# KiCad board panel.kicad_pcb (continued)
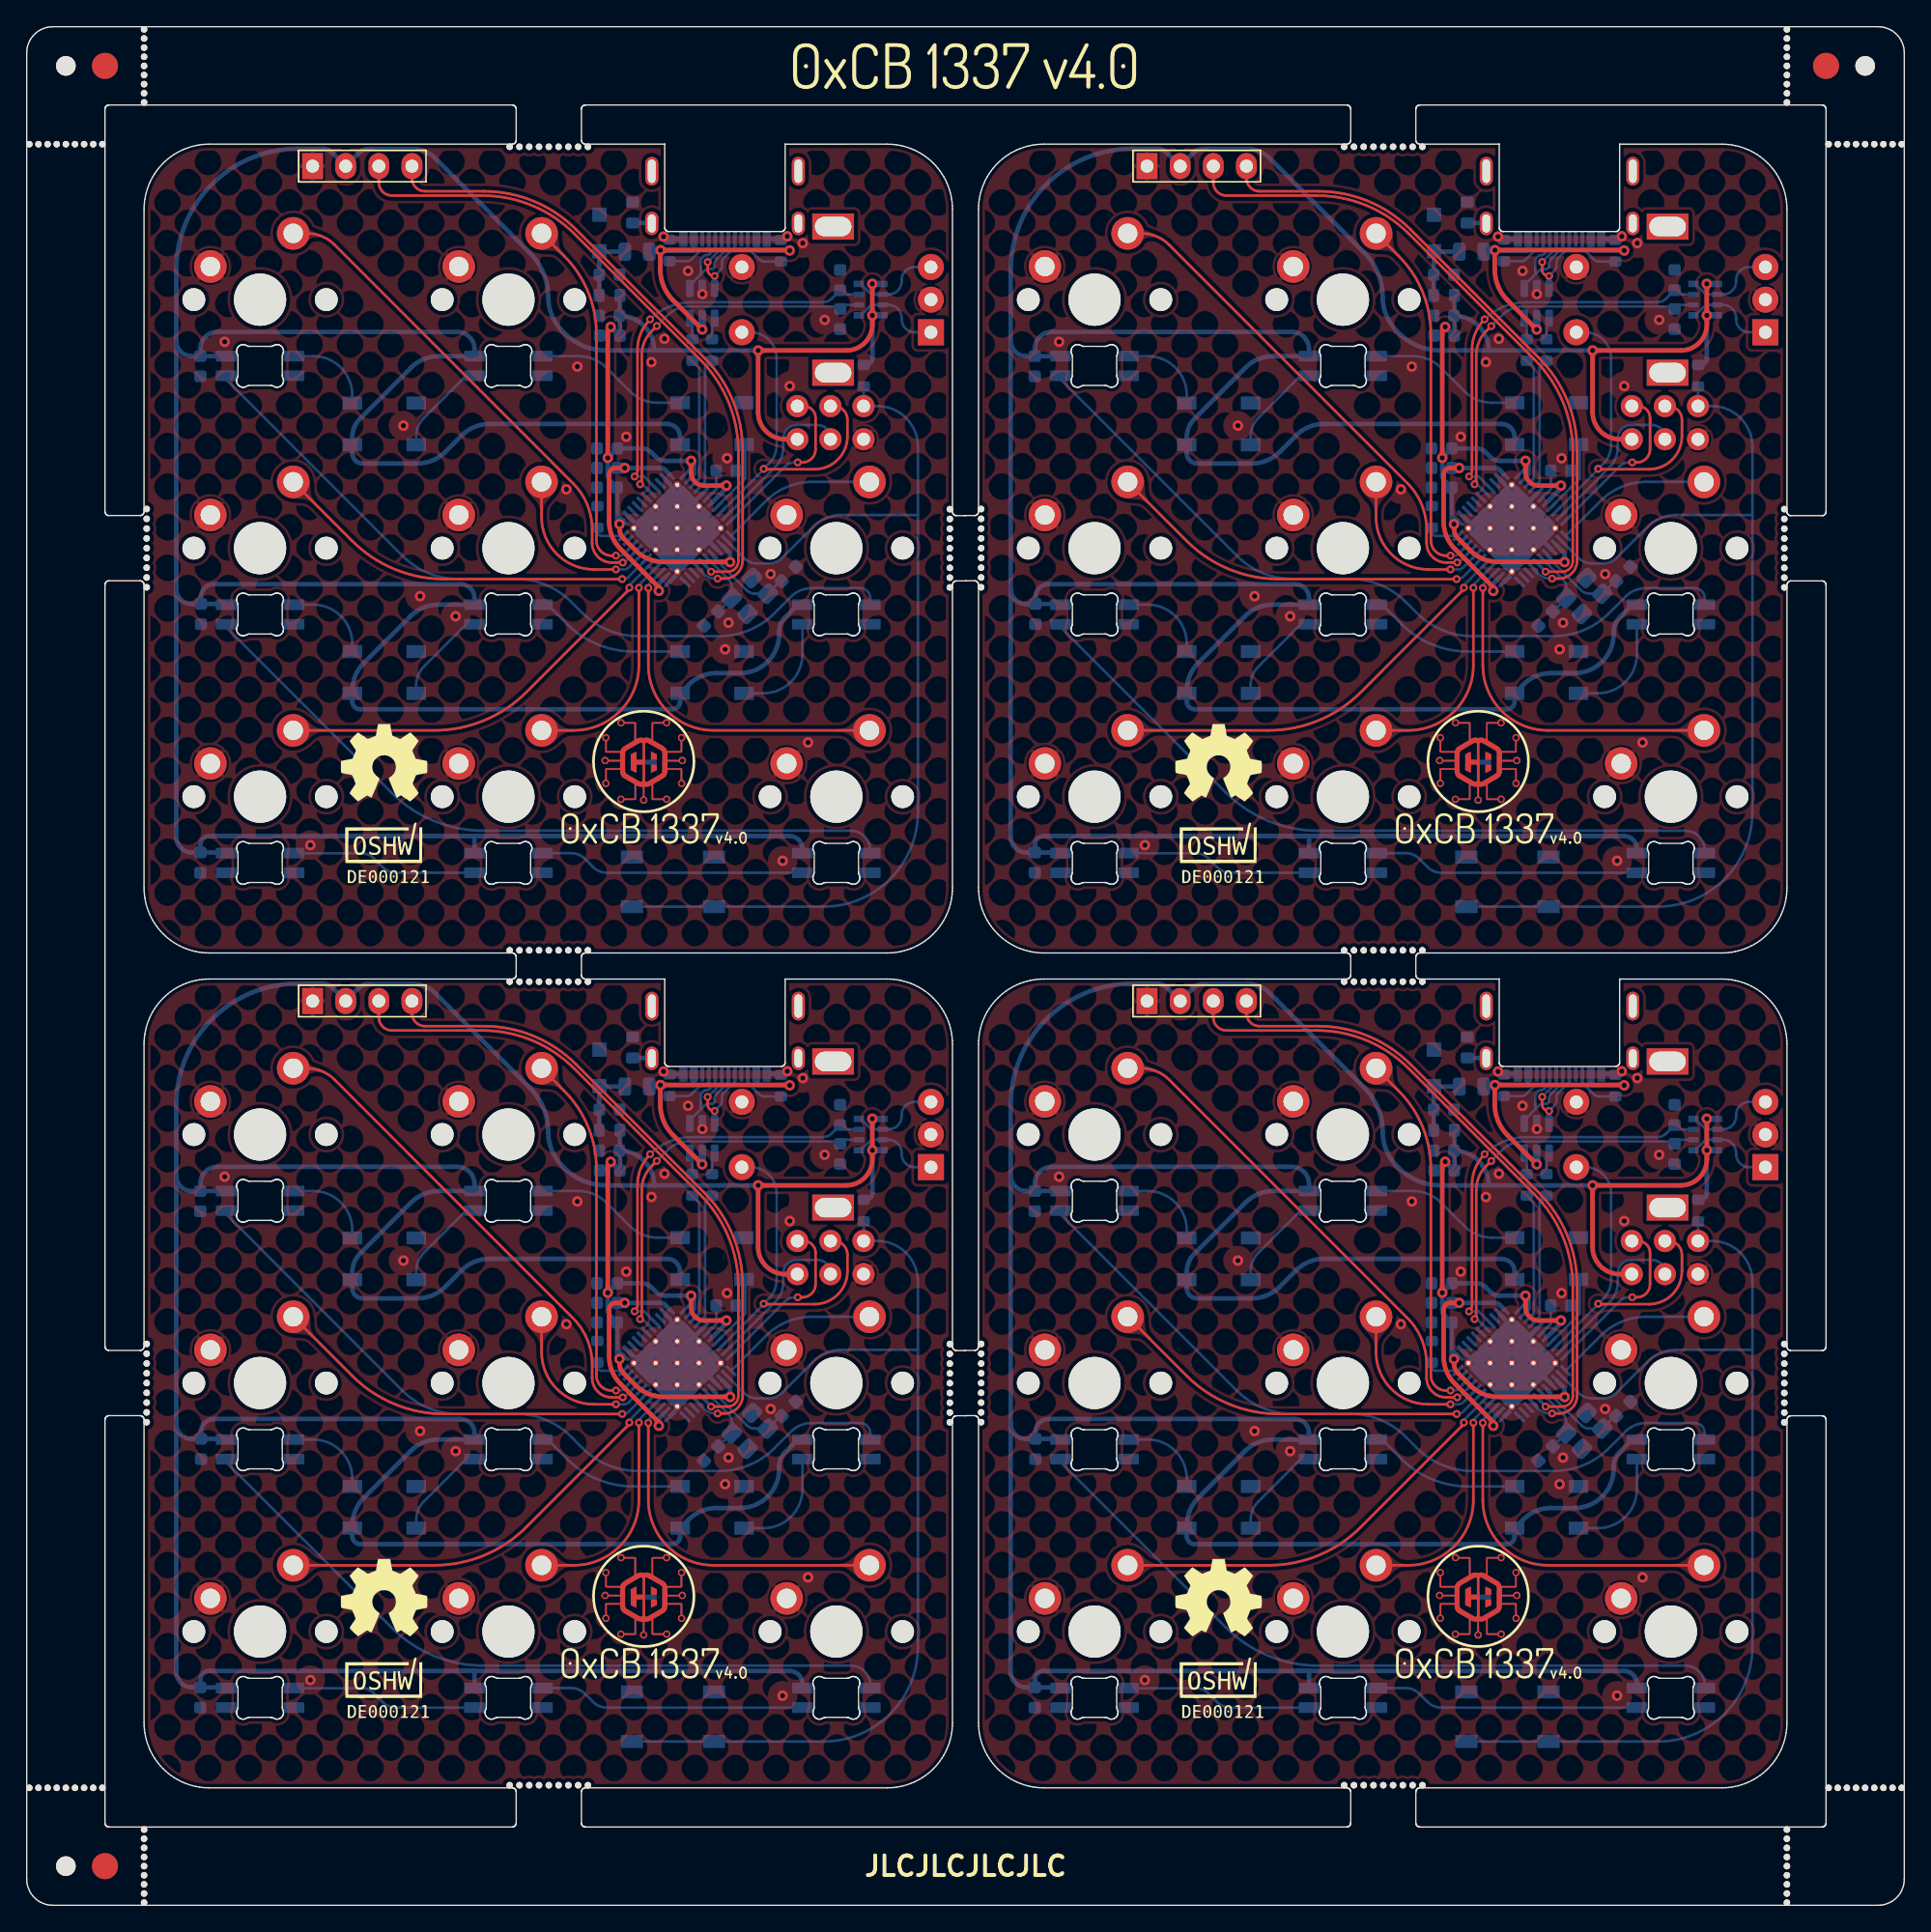
[diagram p0: board, top side]
## Routing (per net, layer and track width the routed paths; a pad name or vN(x,y) marks a point on that pad's centre or on a via; arc(x,y) is an arc through that point) (continued)
Board_3-MISO: length 13.2
  Top w0.2: v2(123.13,46.61) 123.5,46.61 arc(124.21,46.9) 124.5,47.61 124.5,50.02 arc(124.23,50.66) 123.6,50.92 J2#4.1
  Bottom w0.2: U3#2.11 122.18,46.31 arc(122.5,46.53) 122.88,46.61 v2(123.13,46.61)
Board_3-MOSI: length 12.5
  Bottom w0.2: U3#2.10 121.42,46.26 arc(121.86,46.93) 122.02,47.72 122.02,48.42 arc(122.33,49.16) 123.07,49.47 124.65,49.47 arc(125.35,49.18) 125.64,48.48 J2#4.4
Board_3-Net-(C1-Pad1): length 5.3
  Bottom w0.35: F1.2 107.96,62.76 D9.2 107.91,62.78 C1#2.1 107.91,59.43 FB2#4.1
Board_3-Net-(C9-Pad1): length 2.3
  Bottom w0.2: C9#4.1 116.89,44.56 U3#2.6
Board_3-Net-(C11-Pad2): length 7
  Bottom w0.2: U3#2.16 116.61,39.41 119.2,36.82 arc(119.51,36.61) 119.86,36.54 Y1#3.1 121.8,37.51 C11#2.2
Board_3-Net-(C13-Pad2): length 5.2
  Bottom w0.2: C13.2 117.06,35.17 Y1#3.3 118.08,37.05 arc(118.01,37.36) 117.84,37.62 U3#2.17
Board_3-Net-(D1-Pad2): length 59.2
  Bottom w0.2: D1#2.2 79.3,52.96 92.83,39.43 arc(94.77,38.13) 97.07,37.67 101.51,37.67 arc(103.81,37.22) 105.75,35.92 106.62,35.05 arc(108.57,33.75) 110.87,33.29 117.11,33.29 arc(119.41,33.75) 121.36,35.05 122.63,36.32 arc(123.34,36.8) 124.18,36.97 127.92,36.97 arc(128.47,36.74) 128.7,36.2 D5#2.4
Board_3-Net-(D1-Pad4): length 6.8
  Bottom w0.2: D1#2.4 85.97,54.75 arc(88.09,53.87) 88.97,51.75 D11#2.2
Board_3-Net-(D3-Pad2): length 56.7
  Bottom w0.2: D8#4.4 128.7,16.87 arc(128.26,17.93) 127.2,18.37 99.03,18.37 arc(95.21,19.13) 91.96,21.3 79.3,33.97 D3.2
Board_3-Net-(D6-Pad4): length 14.4
  Bottom w0.2: D7.2 92.34,15.15 arc(91.77,15.27) 91.28,15.59 90.59,16.28 arc(90.2,16.54) 89.73,16.64 84.51,16.64 D6.4
Board_3-Net-(D7-Pad4): length 20.4
  Bottom w0.2: D8#4.2 108.49,15.15 arc(107.92,15.27) 107.43,15.59 106.81,16.21 arc(106.32,16.54) 105.75,16.65 D7.4
Board_3-Net-(D10-Pad2): length 11.8
  Bottom w0.2: D10#2.2 112.39,51.18 arc(111.24,51.4) 110.27,52.05 108.45,53.87 arc(107.47,54.52) 106.33,54.75 D2#2.4
Board_3-Net-(D11-Pad4): length 7.4
  Bottom w0.2: D2#2.2 97.7,53.25 94.46,50.01 arc(94.02,49.36) 93.87,48.59 D11#2.4
Board_3-Net-(D12-Pad2): length 11.7
  Bottom w0.2: D12.2 110.53,32.11 arc(107.77,32.66) 105.43,34.22 103.95,35.7 D4#3.4
Board_3-Net-(D12-Pad4): length 8.5
  Bottom w0.2: D12.4 120.5,28.91 arc(122.62,29.79) 123.5,31.91 D5#2.2
Board_3-Net-(D13-Pad2): length 6.8
  Bottom w0.2: D3.4 85.97,35.7 arc(88.09,34.82) 88.97,32.7 D13#3.2
Board_3-Net-(D13-Pad4): length 7.4
  Bottom w0.2: D4#3.2 97.71,34.2 94.46,30.95 arc(94.02,30.3) 93.87,29.53 D13#3.4
Board_3-Net-(FB1-Pad2): length 1.5
  Bottom w0.35: J1#4.S1 111.91,64.96 FB1.2
Board_3-Net-(J1-PadA5): length 4.1
  Bottom w0.2: J1#4.A5 116.31,63.05 116.19,62.92 115.95,62.92 arc(115.76,62.89) 115.59,62.78 114.99,62.18 arc(114.83,62.07) 114.64,62.03 R2#2.1
Board_3-Net-(J1-PadA6): length 8
  Top w0.2: v2(116.76,60.89) 116.72,60.89 arc(116.37,61.04) 116.22,61.39 v2(116.22,61.97)
  Bottom w0.2: U2#4.3 v2(116.76,60.89) 117.17,61.31 arc(117.28,61.47) 117.32,61.66 117.32,61.93 arc(117.36,62.12) 117.47,62.28 118.31,63.12 J1#4.B6 ; v2(116.22,61.97) 117.31,63.05 J1#4.A6
Board_3-Net-(J1-PadA7): length 8.8
  Bottom w0.2: 114.86,60.18 U2#4.1 114.86,60.18 ; 114.86,60.18 115.97,61.29 arc(116.13,61.4) 116.32,61.44 116.55,61.44 arc(116.69,61.5) 116.75,61.64 116.75,61.82 arc(116.79,62.01) 116.9,62.18 117.81,63.09 J1#4.A7 ; 115.7,61.02 115.7,62.06 arc(115.72,62.18) 115.78,62.27 115.92,62.41 arc(116.01,62.47) 116.13,62.49 116.16,62.49 arc(116.28,62.52) 116.38,62.58 116.81,63.01 J1#4.B7
Board_3-Net-(J1-PadB5): length 3.6
  Bottom w0.2: J1#4.B5 119.31,63.05 120.2,62.15 arc(120.36,62.04) 120.56,62.01 R1#2.2
Board_3-Net-(MX3-PadA): length 7.1
  Bottom w0.2: RN1#2.1 127.98,57.88 128.63,58.54 arc(128.79,58.64) 128.98,58.68 RN1#2.7 130.1,58.68 arc(130.81,58.39) 131.1,57.68 131.1,57.58 arc(131.39,56.88) 132.1,56.58 MX3.A
Board_3-Net-(MX3-PadB): length 7.1
  Bottom w0.2: RN1#2.4 127.98,60.28 128.63,59.63 arc(128.79,59.52) 128.98,59.48 RN1#2.6 130.1,59.48 arc(130.81,59.78) 131.1,60.48 131.1,60.58 arc(131.39,61.29) 132.1,61.58 MX3.B
Board_3-Net-(R6-Pad2): length 2.5
  Bottom w0.2: U3#2.33 108.08,40.97 arc(107.86,41.07) 107.76,41.29 R6#3.2
Board_3-RGB: length 5.7
  Bottom w0.2: U3#2.8 119.12,45.37 119.12,47.87 D10#2.4
Board_3-RST: length 78.2
  Bottom w0.2: U3#2.13 118.99,39.3 arc(119.48,38.97) 120.05,38.86 120.88,38.86 arc(121.45,38.97) 121.94,39.3 124.34,41.7 arc(125.31,42.35) 126.46,42.58 132.35,42.58 ; R5#2.1 128.19,50.93 J2#4.5 129.24,50.92 arc(131.44,50.01) 132.35,47.81 132.35,19.8 arc(130.23,14.68) 125.1,12.55 SW1.2
Board_3-S1: length 39
  Top w0.2: MX1#2.2 85.5,64.16 arc(86.64,63.93) 87.62,63.28 105.9,45 arc(106.98,43.38) 107.36,41.47 107.36,40.43 arc(107.8,39.37) 108.86,38.93 109.71,38.93 v2(109.71,38.93)
  Bottom w0.2: v2(109.71,38.93) 109.85,38.93 U3#2.30
Board_3-S2: length 28.7
  Top w0.2: MX2#2.2 105.23,62.42 arc(107.05,59.69) 107.69,56.47 107.69,40.61 arc(108.03,39.8) 108.84,39.46 v2(109.2,39.46)
  Bottom w0.2: v2(109.2,39.46) 109.46,39.46 arc(109.65,39.5) 109.81,39.61 U3#2.31
Board_3-S3: length 28.2
  Top w0.2: J2#4.3 125.9,50.92 arc(126.64,50.62) 126.94,49.88 126.94,48.61 arc(126.2,46.82) 124.42,46.08 120.55,46.08 v2(120.52,46.11)
  Bottom w0.2: MX3.S2 119.51,56.58 arc(120.93,56) 121.51,54.58 121.51,47.93 arc(121.36,47.17) 120.93,46.52 v2(120.52,46.11) 120.52,46.07 U3#2.9
Board_3-S4: length 30.4
  Top w0.2: MX4#3.2 88.96,40.59 arc(92.2,38.42) 96.03,37.66 v2(109.67,37.66)
  Bottom w0.2: v2(109.67,37.66) 109.78,37.66 arc(109.97,37.7) 110.14,37.81 U3#2.28
Board_3-S5: length 13.1
  Top w0.2: v2(109.19,38.4) 109.19,38.4 107.49,38.4 arc(104.66,39.58) 103.49,42.41 MX5#2.2
  Bottom w0.2: v2(109.19,38.4) 109.82,38.4 arc(110.01,38.44) 110.17,38.55 U3#2.29
Board_3-S6: length 12.1
  Bottom w0.2: MX6#2.2 124.23,45.11 arc(122.32,44.73) 120.7,43.65 U3#2.12
Board_3-S7: length 32.5
  Top w0.2: MX7#3.2 95.25,26.06 arc(99.07,26.82) 102.32,28.99 110.22,36.89 v2(110.22,37.01)
  Bottom w0.2: U3#2.27 110.22,37.19 v2(110.22,37.01)
Board_3-S8: length 18.3
  Top w0.2: v2(110.95,37) 110.95,31.06 arc(109.48,27.53) 105.95,26.06 MX8#2.2
  Bottom w0.2: U3#2.26 111.1,37.35 arc(110.99,37.19) 110.95,37 v2(110.95,37)
Board_3-S9: length 27.3
  Top w0.2: MX9#2.2 116.68,26.06 arc(113.14,27.53) 111.68,31.06 v2(111.68,36.98)
  Bottom w0.2: U3#2.25 111.82,37.37 arc(111.71,37.21) 111.68,37.02 v2(111.68,36.98)
Board_3-SCL: length 50.9
  Top w0.2: U1#3.3 91,68.06 arc(91.3,67.35) 92,67.06 98.92,67.06 arc(102.75,66.3) 106,64.13 115.65,54.48 arc(117.82,51.23) 118.58,47.41 118.58,39.04 arc(118.34,38.47) 117.77,38.23 v2(116.49,38.23)
  Bottom w0.2: v2(116.49,38.23) 115.9,38.81 U3#2.18
Board_3-SDA: length 49.6
  Top w0.2: v2(116.99,37.7) 116.99,37.7 117.52,37.7 arc(118.5,38.11) 118.91,39.09 118.91,47.54 arc(118.15,51.37) 115.98,54.61 106.13,64.46 arc(102.89,66.63) 99.06,67.39 94.54,67.39 arc(93.84,67.68) 93.54,68.39 U1#3.4
  Bottom w0.2: v2(116.99,37.7) 116.84,37.7 arc(116.31,37.8) 115.86,38.1 115.55,38.42 U3#2.19
Board_3-VCC: length 403.2
  Top w0.35: v1(112.48,36.76) 112.48,37.03 109.54,39.97 arc(108.89,40.94) 108.66,42.09 108.66,45.68 arc(108.81,46.03) 109.16,46.18 v1(109.86,46.18) ; v1(128.85,60.29) 128.85,57.88 v1(128.86,57.87) 128.86,57.19 arc(128.27,55.77) 126.86,55.19 v1(120.09,55.19) 120.09,50.46 arc(120.7,48.99) 122.17,48.38 J2#4.2 ; v1(108.56,46.95) 108.56,56.77 v1(108.79,56.99) ; v1(117.66,44.83) 115.95,44.83 arc(115.24,45.12) 114.95,45.83 v1(114.95,46.73) ; v1(117.95,38.96) 117.93,38.98 112.83,38.98 arc(111.68,39.2) 110.71,39.85 109.76,40.8 arc(109.54,41.13) 109.46,41.51 v1(109.46,41.88)
  Bottom w0.25: U3#2.2 115.21,45.71 115.21,46.46 v1(114.95,46.73)
  Bottom w0.35: 75.47,36.93 75.47,55.93 ; 75.47,36.93 75.47,17.91 arc(75.82,17.05) 76.67,16.7 C14.1 ; 75.47,36.93 arc(75.81,36.1) 76.64,35.75 C12#3.1 ; 75.47,55.93 75.47,61.33 arc(78.19,67.92) 84.78,70.65 86.72,70.65 arc(87.1,70.57) 87.43,70.35 U1#3.2 89.47,70.33 arc(89.8,70.54) 90.18,70.62 93.66,70.62 arc(94.56,70.44) 95.32,69.93 102.6,62.66 arc(103.63,61.11) 103.99,59.28 arc(104.27,57.87) 105.07,56.68 105.27,56.49 arc(106.71,55.52) 108.4,55.19 112.13,55.19 ; 75.47,55.93 arc(75.81,55.1) 76.65,54.75 C6#3.1 ; v1(114.95,46.73) 112.96,46.73 arc(112.58,46.8) 112.25,47.02 111.89,47.38 arc(111.56,47.6) 111.18,47.68 C7#3.1 v1(108.56,46.95) 108.56,46.18 ; 112.13,55.19 v1(120.09,55.19) ; 112.13,55.19 arc(111.35,57.07) C3.1 ; D5#2.1 123.14,35.7 122.15,34.71 arc(121.82,34.22) 121.71,33.65 121.71,33.45 arc(120.83,31.33) 118.71,30.45 116.9,30.45 arc(115.75,30.22) 114.78,29.57 D12.1 114.11,28.28 arc(113.94,27.86) 113.51,27.68 89.58,27.68 arc(89.15,27.86) 88.97,28.29 D13#3.1 88.97,29.11 arc(89.2,30.26) 89.85,31.23 93.44,34.82 arc(94.41,35.47) 95.56,35.7 D4#3.1 98.35,36.21 arc(98.03,36.96) 97.28,37.27 78.35,37.27 arc(77.65,36.98) 77.36,36.28 C12#3.1 ; U3#2.14 117.8,39.78 arc(117.91,39.62) 117.95,39.43 v1(117.95,38.96) ; U3#2.34 109.75,42.16 v1(109.46,41.88) 109.29,42.05 C10#2.1 109.26,44.68 108.71,45.23 arc(108.6,45.39) 108.56,45.58 108.56,46.18 ; v1(112.48,36.76) 112.48,37.11 arc(112.52,37.31) 112.62,37.47 U3#2.24 ; RN1#2.5 128.86,60.28 v1(128.85,60.29) ; D10#2.1 114.11,48.55 arc(113.82,49.26) 113.11,49.55 99.48,49.55 arc(98.33,49.32) 97.36,48.67 96.09,47.4 arc(95.12,46.75) 93.97,46.52 89.76,46.52 arc(89.2,46.75) 88.97,47.31 D11#2.1 88.97,48.53 arc(89.12,49.3) 89.56,49.95 93.48,53.87 arc(94.45,54.52) 95.6,54.75 D2#2.1 98.35,55.28 arc(97.96,56.22) 97.02,56.61 78.61,56.61 arc(77.69,56.23) 77.31,55.31 C6#3.1 ; C12#3.1 79.25,35.75 D3.1 ; C3.1 109.5,57.89 FB2#4.2 ; C3.1 109.49,57.83 C5.1 109.46,56.33 v1(108.79,56.99) ; 108.56,46.18 C8#2.1 v1(109.86,46.18) 112.61,46.18 arc(112.8,46.14) 112.96,46.03 113.3,45.69 U3#2.44 ; R5#2.2 128.36,54.08 arc(128.71,54.22) 128.86,54.58 v1(128.86,57.87) 129.62,57.87 RN1#2.8 ; 97.03,17.97 78.02,17.97 arc(77.52,17.76) 77.31,17.26 C14.1 ; 97.03,17.97 122.5,17.97 arc(123.2,17.67) 123.5,16.97 D8#4.1 ; 97.03,17.97 98.35,17.97 D7.1 ; C6#3.1 79.29,54.75 D1#2.1 ; U3#2.7 116.61,43.57 117.66,44.63 v1(117.66,44.83) ; C14.1 79.25,16.7 D6.1

## Copper pours and planes (outline as drawn; the poured copper is in the pictures)
Board_0-/VBUS on Bottom: 48.66,127.01 48.56,127.01 48.47,127.02 48.4,127.03 48.34,127.04 48.28,127.06 48.22,127.08 48.16,127.1 47.96,127.2 47.5,126.76 47.96,126.32 48.04,126.37 48.11,126.41 48.17,126.46 48.22,126.5 48.27,126.55 48.33,126.58 48.39,126.61 48.47,126.64 48.55,126.66 48.66,126.66
Board_1-/VBUS on Bottom: 112.66,127.01 112.56,127.01 112.47,127.02 112.4,127.03 112.34,127.04 112.28,127.06 112.22,127.08 112.16,127.1 111.96,127.2 111.5,126.76 111.96,126.32 112.04,126.37 112.11,126.41 112.17,126.46 112.22,126.5 112.27,126.55 112.33,126.58 112.39,126.61 112.47,126.64 112.55,126.66 112.66,126.66
Board_2-/VBUS on Bottom: 48.66,63.01 48.56,63.01 48.47,63.02 48.4,63.03 48.34,63.04 48.28,63.06 48.22,63.08 48.16,63.1 47.96,63.2 47.5,62.76 47.96,62.32 48.04,62.37 48.11,62.41 48.17,62.46 48.22,62.5 48.27,62.55 48.33,62.58 48.39,62.61 48.47,62.64 48.55,62.66 48.66,62.66
Board_3-/VBUS on Bottom: 112.66,63.01 112.56,63.01 112.47,63.02 112.4,63.03 112.34,63.04 112.28,63.06 112.22,63.08 112.16,63.1 111.96,63.2 111.5,62.76 111.96,62.32 112.04,62.37 112.11,62.41 112.17,62.46 112.22,62.5 112.27,62.55 112.33,62.58 112.39,62.61 112.47,62.64 112.55,62.66 112.66,62.66
Board_0-GND on Top, Bottom: 5.24,139.08 75.24,139.08 75.24,69.08 5.24,69.08
Board_0-Net-(C1-Pad1) on Bottom: 44.9,126.59 45.01,126.58 45.11,126.57 45.19,126.56 45.26,126.54 45.32,126.51 45.38,126.48 45.5,126.41 45.57,126.37 45.66,126.32 46.12,126.76 45.66,127.2 45.57,127.16 45.5,127.12 45.38,127.04 45.32,127.01 45.26,126.99 45.19,126.97 45.11,126.95 45.01,126.94 44.9,126.94
Board_0-Net-(C1-Pad1) on Bottom: 45.03,126.94 44.91,126.94 44.8,126.95 44.71,126.97 44.64,127 44.57,127.03 44.5,127.07 44.37,127.17 44.29,127.22 44.2,127.27 43.65,126.81 44.14,126.28 44.24,126.33 44.33,126.37 44.48,126.46 44.55,126.49 44.62,126.52 44.7,126.55 44.79,126.57 44.9,126.58 45.03,126.59
Board_0-Net-(C1-Pad1) on Bottom: 44.09,125.69 44.09,125.81 44.11,125.92 44.13,126.01 44.15,126.08 44.19,126.15 44.22,126.22 44.31,126.36 44.36,126.44 44.42,126.54 43.94,127.07 43.43,126.56 43.48,126.46 43.52,126.38 43.61,126.23 43.64,126.16 43.68,126.09 43.7,126.01 43.72,125.92 43.73,125.81 43.74,125.69
Board_0-Net-(C11-Pad2) on Bottom: 57.6,101.46 57.5,101.36 57.4,101.29 57.32,101.25 57.23,101.22 57.14,101.2 57.06,101.19 56.96,101.18 56.87,101.17 56.76,101.15 56.64,101.11 56.62,100.33 57.4,100.35 57.44,100.47 57.46,100.58 57.47,100.67 57.48,100.77 57.49,100.85 57.51,100.94 57.54,101.03 57.58,101.11 57.65,101.21 57.75,101.31
Board_0-Net-(C13-Pad2) on Bottom: 53.3,99.28 53.41,99.37 53.5,99.44 53.59,99.48 53.68,99.51 53.76,99.53 53.85,99.54 53.94,99.55 54.04,99.56 54.15,99.59 54.27,99.62 54.29,100.4 53.51,100.39 53.47,100.27 53.45,100.16 53.44,100.06 53.43,99.97 53.42,99.88 53.4,99.79 53.37,99.71 53.32,99.62 53.26,99.52 53.16,99.42
Board_0-Net-(D10-Pad2) on Bottom: 49.12,115.08 49.24,115.07 49.34,115.06 49.41,115.03 49.48,115 49.54,114.96 49.6,114.92 49.66,114.87 49.73,114.82 49.8,114.78 49.9,114.73 50.36,115.18 49.9,115.63 49.8,115.58 49.73,115.53 49.66,115.48 49.6,115.43 49.54,115.39 49.48,115.35 49.41,115.32 49.34,115.3 49.24,115.28 49.12,115.28
Board_0-Net-(D12-Pad2) on Bottom: 49.12,96.01 49.24,96 49.34,95.99 49.41,95.96 49.48,95.93 49.54,95.89 49.6,95.85 49.66,95.8 49.73,95.76 49.8,95.71 49.9,95.66 50.36,96.11 49.9,96.56 49.8,96.51 49.73,96.46 49.66,96.41 49.6,96.36 49.54,96.32 49.48,96.28 49.41,96.25 49.34,96.23 49.24,96.21 49.12,96.21
Board_0-Net-(D12-Pad4) on Bottom: 56,93.01 55.89,93.01 55.79,93.03 55.71,93.05 55.65,93.08 55.58,93.12 55.53,93.16 55.47,93.21 55.4,93.26 55.32,93.31 55.23,93.36 54.76,92.91 55.23,92.46 55.32,92.51 55.4,92.56 55.47,92.6 55.53,92.65 55.58,92.69 55.65,92.73 55.71,92.76 55.79,92.79 55.89,92.8 56,92.81
Board_0-Net-(FB1-Pad2) on Bottom: 46.94,128.78 47.05,128.78 47.14,128.77 47.22,128.75 47.29,128.73 47.36,128.7 47.42,128.66 47.61,128.54 47.69,128.49 48.19,128.91 47.75,129.39 47.66,129.35 47.58,129.31 47.44,129.24 47.38,129.21 47.31,129.18 47.24,129.16 47.15,129.14 47.06,129.13 46.94,129.13
Board_0-Net-(MX3-PadA) on Bottom: 68.11,120.48 68.16,120.48 68.2,120.47 68.24,120.45 68.28,120.42 68.31,120.4 68.34,120.37 68.39,120.29 69.85,120.58 68.39,120.88 68.34,120.79 68.31,120.77 68.28,120.74 68.24,120.72 68.2,120.7 68.16,120.69 68.11,120.68
Board_0-Net-(MX3-PadB) on Bottom: 68.11,125.48 68.16,125.48 68.2,125.47 68.24,125.45 68.28,125.42 68.31,125.4 68.34,125.37 68.39,125.29 69.85,125.58 68.39,125.88 68.34,125.79 68.31,125.77 68.28,125.74 68.24,125.72 68.2,125.7 68.16,125.69 68.11,125.68
Board_0-RGB on Bottom: 55.22,110.98 55.22,111.11 55.24,111.21 55.26,111.3 55.29,111.38 55.32,111.44 55.39,111.58 55.43,111.66 55.47,111.75 55.5,111.85 54.96,112.22 54.62,111.67 54.68,111.6 54.74,111.53 54.85,111.42 54.9,111.37 54.94,111.32 54.97,111.26 55,111.18 55.01,111.09 55.02,110.98
Board_0-RST on Bottom: 64.09,116.43 64.08,116.28 64.06,116.16 64.02,116.05 63.98,115.95 63.93,115.87 63.86,115.8 63.8,115.73 63.65,115.59 63.57,115.52 64.17,114.5 64.8,115.5 64.72,115.58 64.58,115.72 64.51,115.79 64.45,115.87 64.4,115.95 64.35,116.04 64.32,116.15 64.3,116.28 64.29,116.43
Board_0-RST on Bottom: 47.4,76.65 47.29,76.66 47.19,76.67 47.11,76.7 47.05,76.73 46.98,76.77 46.93,76.81 46.87,76.85 46.8,76.9 46.72,76.95 46.63,77 46.16,76.55 46.63,76.1 46.72,76.15 46.8,76.2 46.87,76.25 46.93,76.29 46.98,76.34 47.05,76.37 47.11,76.41 47.19,76.43 47.29,76.45 47.4,76.45
Board_0-S1 on Top: 22.66,128.03 22.35,128.17 22.12,128.26 21.93,128.33 21.76,128.43 21.61,128.55 21.47,128.67 21.32,128.81 21.15,128.95 20.96,129.09 20.72,129.22 19.55,128.09 20.72,126.97 20.96,127.1 21.15,127.24 21.32,127.38 21.47,127.51 21.61,127.64 21.76,127.76 21.93,127.82 22.12,127.85 22.35,127.85 22.65,127.82
Board_0-S2 on Top: 41.29,126.5 41.1,126.71 40.97,126.91 40.88,127.1 40.83,127.28 40.8,127.45 40.79,127.64 40.79,127.83 40.77,128.03 40.74,128.26 40.69,128.51 39.04,128.6 39.14,126.96 39.39,126.9 39.61,126.87 39.82,126.86 40.01,126.85 40.19,126.84 40.37,126.82 40.55,126.77 40.74,126.68 40.93,126.55 41.15,126.36
Board_0-S3 on Bottom: 56.69,120.31 56.37,120.52 56.16,120.65 55.99,120.78 55.83,120.89 55.68,121.01 55.54,121.13 55.39,121.27 55.23,121.41 55.02,121.41 54.75,121.4 53.92,120.56 54.78,119.83 55.03,119.77 55.23,119.7 55.39,119.84 55.54,119.97 55.68,120.1 55.83,120.22 56,120.27 56.19,120.28 56.41,120.25 56.64,120.12
Board_0-S4 on Top: 22.27,107.42 22.07,107.65 21.93,107.85 21.84,108.04 21.79,108.23 21.77,108.42 21.76,108.61 21.75,108.81 21.73,109.02 21.69,109.26 21.62,109.52 19.99,109.55 20.03,107.93 20.29,107.86 20.52,107.82 20.74,107.8 20.94,107.79 21.13,107.78 21.32,107.75 21.5,107.7 21.7,107.62 21.9,107.48 22.13,107.28
Board_0-S5 on Top: 39.59,106.62 39.6,106.92 39.65,107.16 39.73,107.36 39.82,107.53 39.94,107.68 40.06,107.82 40.2,107.97 40.34,108.13 40.48,108.33 40.61,108.57 39.49,109.74 38.36,108.57 38.49,108.33 38.63,108.13 38.77,107.97 38.91,107.82 39.03,107.68 39.15,107.53 39.24,107.36 39.32,107.16 39.37,106.92 39.39,106.62
Board_0-S6 on Bottom: 62.15,109.01 62.44,109 62.69,108.95 62.88,108.87 63.05,108.77 63.2,108.66 63.34,108.53 63.49,108.4 63.65,108.26 63.85,108.12 64.09,107.99 65.26,109.11 64.09,110.24 63.85,110.1 63.65,109.97 63.49,109.83 63.34,109.69 63.2,109.56 63.05,109.45 62.88,109.35 62.69,109.28 62.44,109.23 62.15,109.21
Board_0-S7 on Top: 22.93,90.16 22.63,90.18 22.39,90.23 22.19,90.3 22.02,90.4 21.87,90.51 21.73,90.64 21.58,90.78 21.42,90.92 21.22,91.05 20.98,91.19 19.81,90.06 20.98,88.94 21.22,89.07 21.42,89.21 21.58,89.35 21.73,89.48 21.87,89.61 22.02,89.72 22.19,89.82 22.39,89.9 22.63,89.95 22.93,89.96
Board_0-S8 on Top: 41.94,90.16 41.65,90.18 41.42,90.22 41.23,90.29 41.06,90.39 40.92,90.5 40.78,90.62 40.64,90.75 40.49,90.89 40.3,91.02 40.09,91.16 38.86,90.06 40.09,88.97 40.3,89.1 40.49,89.24 40.64,89.38 40.78,89.51 40.92,89.63 41.06,89.74 41.23,89.83 41.42,89.9 41.65,89.95 41.94,89.96
Board_0-S9 on Top: 62.15,89.96 62.44,89.95 62.69,89.9 62.88,89.82 63.05,89.72 63.2,89.61 63.34,89.48 63.49,89.35 63.65,89.21 63.85,89.07 64.09,88.94 65.26,90.06 64.09,91.19 63.85,91.05 63.65,90.92 63.49,90.78 63.34,90.64 63.2,90.51 63.05,90.4 62.88,90.3 62.69,90.23 62.44,90.18 62.15,90.16
Board_0-SCL on Top: 27.1,131.9 27.15,132.17 27.17,132.25 27.18,132.32 27.21,132.39 27.23,132.46 27.27,132.51 27.32,132.55 27.37,132.59 27.46,132.66 27,133.72 26.55,132.66 26.64,132.59 26.69,132.55 26.74,132.51 26.8,132.38 26.82,132.32 26.84,132.24 26.87,132.1 26.92,131.9
Board_0-SDA on Top: 29.77,131.92 29.71,132.12 29.72,132.3 29.74,132.41 29.77,132.41 29.78,132.48 29.83,132.53 29.87,132.57 29.92,132.61 30.01,132.68 29.56,133.74 29.11,132.68 29.2,132.61 29.25,132.57 29.29,132.53 29.35,132.4 29.38,132.34 29.4,132.26 29.45,132.11 29.55,131.92
Board_0-VCC on Bottom: 23.31,134.22 23.41,134.11 23.49,134.01 23.55,133.91 23.59,133.82 23.61,133.72 23.63,133.63 23.64,133.54 23.66,133.33 23.67,133.22 24.75,133.03 24.56,134.11 24.45,134.12 24.24,134.14 24.15,134.15 24.06,134.17 23.96,134.19 23.87,134.23 23.77,134.29 23.67,134.37 23.56,134.47
Board_0-VCC on Bottom: 25.34,134.44 25.24,134.35 25.14,134.28 25.05,134.22 24.96,134.18 24.87,134.16 24.78,134.14 24.69,134.13 24.6,134.12 24.51,134.12 24.41,134.11 24.18,133.03 25.26,133.26 25.27,133.36 25.27,133.45 25.28,133.55 25.29,133.64 25.3,133.72 25.33,133.81 25.37,133.9 25.42,134 25.5,134.09 25.59,134.19
Board_1-GND on Top, Bottom: 69.24,139.08 139.24,139.08 139.24,69.08 69.24,69.08
Board_1-Net-(C1-Pad1) on Bottom: 109.03,126.94 108.91,126.94 108.8,126.95 108.71,126.97 108.64,127 108.57,127.03 108.5,127.07 108.37,127.17 108.29,127.22 108.2,127.27 107.65,126.81 108.14,126.28 108.24,126.33 108.33,126.37 108.48,126.46 108.55,126.49 108.62,126.52 108.7,126.55 108.79,126.57 108.9,126.58 109.03,126.59
Board_1-Net-(C1-Pad1) on Bottom: 108.09,125.69 108.09,125.81 108.11,125.92 108.13,126.01 108.15,126.08 108.19,126.15 108.22,126.22 108.31,126.36 108.36,126.44 108.42,126.54 107.94,127.07 107.43,126.56 107.48,126.46 107.52,126.38 107.61,126.23 107.64,126.16 107.68,126.09 107.7,126.01 107.72,125.92 107.73,125.81 107.74,125.69
Board_1-Net-(C1-Pad1) on Bottom: 108.9,126.59 109.01,126.58 109.11,126.57 109.19,126.56 109.26,126.54 109.32,126.51 109.38,126.48 109.5,126.41 109.57,126.37 109.66,126.32 110.12,126.76 109.66,127.2 109.57,127.16 109.5,127.12 109.38,127.04 109.32,127.01 109.26,126.99 109.19,126.97 109.11,126.95 109.01,126.94 108.9,126.94
Board_1-Net-(C11-Pad2) on Bottom: 121.6,101.46 121.5,101.36 121.4,101.29 121.32,101.25 121.23,101.22 121.14,101.2 121.06,101.19 120.96,101.18 120.87,101.17 120.76,101.15 120.64,101.11 120.62,100.33 121.4,100.35 121.44,100.47 121.46,100.58 121.47,100.67 121.48,100.77 121.49,100.85 121.51,100.94 121.54,101.03 121.58,101.11 121.65,101.21 121.75,101.31
Board_1-Net-(C13-Pad2) on Bottom: 117.3,99.28 117.41,99.37 117.5,99.44 117.59,99.48 117.68,99.51 117.76,99.53 117.85,99.54 117.94,99.55 118.04,99.56 118.15,99.59 118.27,99.62 118.29,100.4 117.51,100.39 117.47,100.27 117.45,100.16 117.44,100.06 117.43,99.97 117.42,99.88 117.4,99.79 117.37,99.71 117.32,99.62 117.26,99.52 117.16,99.42
Board_1-Net-(D10-Pad2) on Bottom: 113.12,115.08 113.24,115.07 113.34,115.06 113.41,115.03 113.48,115 113.54,114.96 113.6,114.92 113.66,114.87 113.73,114.82 113.8,114.78 113.9,114.73 114.36,115.18 113.9,115.63 113.8,115.58 113.73,115.53 113.66,115.48 113.6,115.43 113.54,115.39 113.48,115.35 113.41,115.32 113.34,115.3 113.24,115.28 113.12,115.28
Board_1-Net-(D12-Pad2) on Bottom: 113.12,96.01 113.24,96 113.34,95.99 113.41,95.96 113.48,95.93 113.54,95.89 113.6,95.85 113.66,95.8 113.73,95.76 113.8,95.71 113.9,95.66 114.36,96.11 113.9,96.56 113.8,96.51 113.73,96.46 113.66,96.41 113.6,96.36 113.54,96.32 113.48,96.28 113.41,96.25 113.34,96.23 113.24,96.21 113.12,96.21
Board_1-Net-(D12-Pad4) on Bottom: 120,93.01 119.89,93.01 119.79,93.03 119.71,93.05 119.65,93.08 119.58,93.12 119.53,93.16 119.47,93.21 119.4,93.26 119.32,93.31 119.23,93.36 118.76,92.91 119.23,92.46 119.32,92.51 119.4,92.56 119.47,92.6 119.53,92.65 119.58,92.69 119.65,92.73 119.71,92.76 119.79,92.79 119.89,92.8 120,92.81
Board_1-Net-(FB1-Pad2) on Bottom: 110.94,128.78 111.05,128.78 111.14,128.77 111.22,128.75 111.29,128.73 111.36,128.7 111.42,128.66 111.61,128.54 111.69,128.49 112.19,128.91 111.75,129.39 111.66,129.35 111.58,129.31 111.44,129.24 111.38,129.21 111.31,129.18 111.24,129.16 111.15,129.14 111.06,129.13 110.94,129.13
Board_1-Net-(MX3-PadA) on Bottom: 132.11,120.48 132.16,120.48 132.2,120.47 132.24,120.45 132.28,120.42 132.31,120.4 132.34,120.37 132.39,120.29 133.85,120.58 132.39,120.88 132.34,120.79 132.31,120.77 132.28,120.74 132.24,120.72 132.2,120.7 132.16,120.69 132.11,120.68
Board_1-Net-(MX3-PadB) on Bottom: 132.11,125.48 132.16,125.48 132.2,125.47 132.24,125.45 132.28,125.42 132.31,125.4 132.34,125.37 132.39,125.29 133.85,125.58 132.39,125.88 132.34,125.79 132.31,125.77 132.28,125.74 132.24,125.72 132.2,125.7 132.16,125.69 132.11,125.68
Board_1-RGB on Bottom: 119.22,110.98 119.22,111.11 119.24,111.21 119.26,111.3 119.29,111.38 119.32,111.44 119.39,111.58 119.43,111.66 119.47,111.75 119.5,111.85 118.96,112.22 118.62,111.67 118.68,111.6 118.74,111.53 118.85,111.42 118.9,111.37 118.94,111.32 118.97,111.26 119,111.18 119.01,111.09 119.02,110.98
Board_1-RST on Bottom: 111.4,76.65 111.29,76.66 111.19,76.67 111.11,76.7 111.05,76.73 110.98,76.77 110.93,76.81 110.87,76.85 110.8,76.9 110.72,76.95 110.63,77 110.16,76.55 110.63,76.1 110.72,76.15 110.8,76.2 110.87,76.25 110.93,76.29 110.98,76.34 111.05,76.37 111.11,76.41 111.19,76.43 111.29,76.45 111.4,76.45
Board_1-RST on Bottom: 128.09,116.43 128.08,116.28 128.06,116.16 128.02,116.05 127.98,115.95 127.93,115.87 127.86,115.8 127.8,115.73 127.65,115.59 127.57,115.52 128.17,114.5 128.8,115.5 128.72,115.58 128.58,115.72 128.51,115.79 128.45,115.87 128.4,115.95 128.35,116.04 128.32,116.15 128.3,116.28 128.29,116.43
Board_1-S1 on Top: 86.66,128.03 86.35,128.17 86.12,128.26 85.93,128.33 85.76,128.43 85.61,128.55 85.47,128.67 85.32,128.81 85.15,128.95 84.96,129.09 84.72,129.22 83.55,128.09 84.72,126.97 84.96,127.1 85.15,127.24 85.32,127.38 85.47,127.51 85.61,127.64 85.76,127.76 85.93,127.82 86.12,127.85 86.35,127.85 86.65,127.82
Board_1-S2 on Top: 105.29,126.5 105.1,126.71 104.97,126.91 104.88,127.1 104.83,127.28 104.8,127.45 104.79,127.64 104.79,127.83 104.77,128.03 104.74,128.26 104.69,128.51 103.04,128.6 103.14,126.96 103.39,126.9 103.61,126.87 103.82,126.86 104.01,126.85 104.19,126.84 104.37,126.82 104.55,126.77 104.74,126.68 104.93,126.55 105.15,126.36
Board_1-S3 on Bottom: 120.69,120.31 120.37,120.52 120.16,120.65 119.99,120.78 119.83,120.89 119.68,121.01 119.54,121.13 119.39,121.27 119.23,121.41 119.02,121.41 118.75,121.4 117.92,120.56 118.78,119.83 119.03,119.77 119.23,119.7 119.39,119.84 119.54,119.97 119.68,120.1 119.83,120.22 120,120.27 120.19,120.28 120.41,120.25 120.64,120.12
